# Altium PCB CW308_PCB.PcbDoc (part 2 of 2)
Units mil, origin at the board's own origin, x right, y up, seen from the top; angles counter-clockwise.
Board outline 6000 x 3900 mil, 4 copper layers (Component Side, Ground Plane, Internal Signal 3, Solder Side), stack 33.234 mil thick; 176 components, 106 nets, 718 pads, 307 vias.
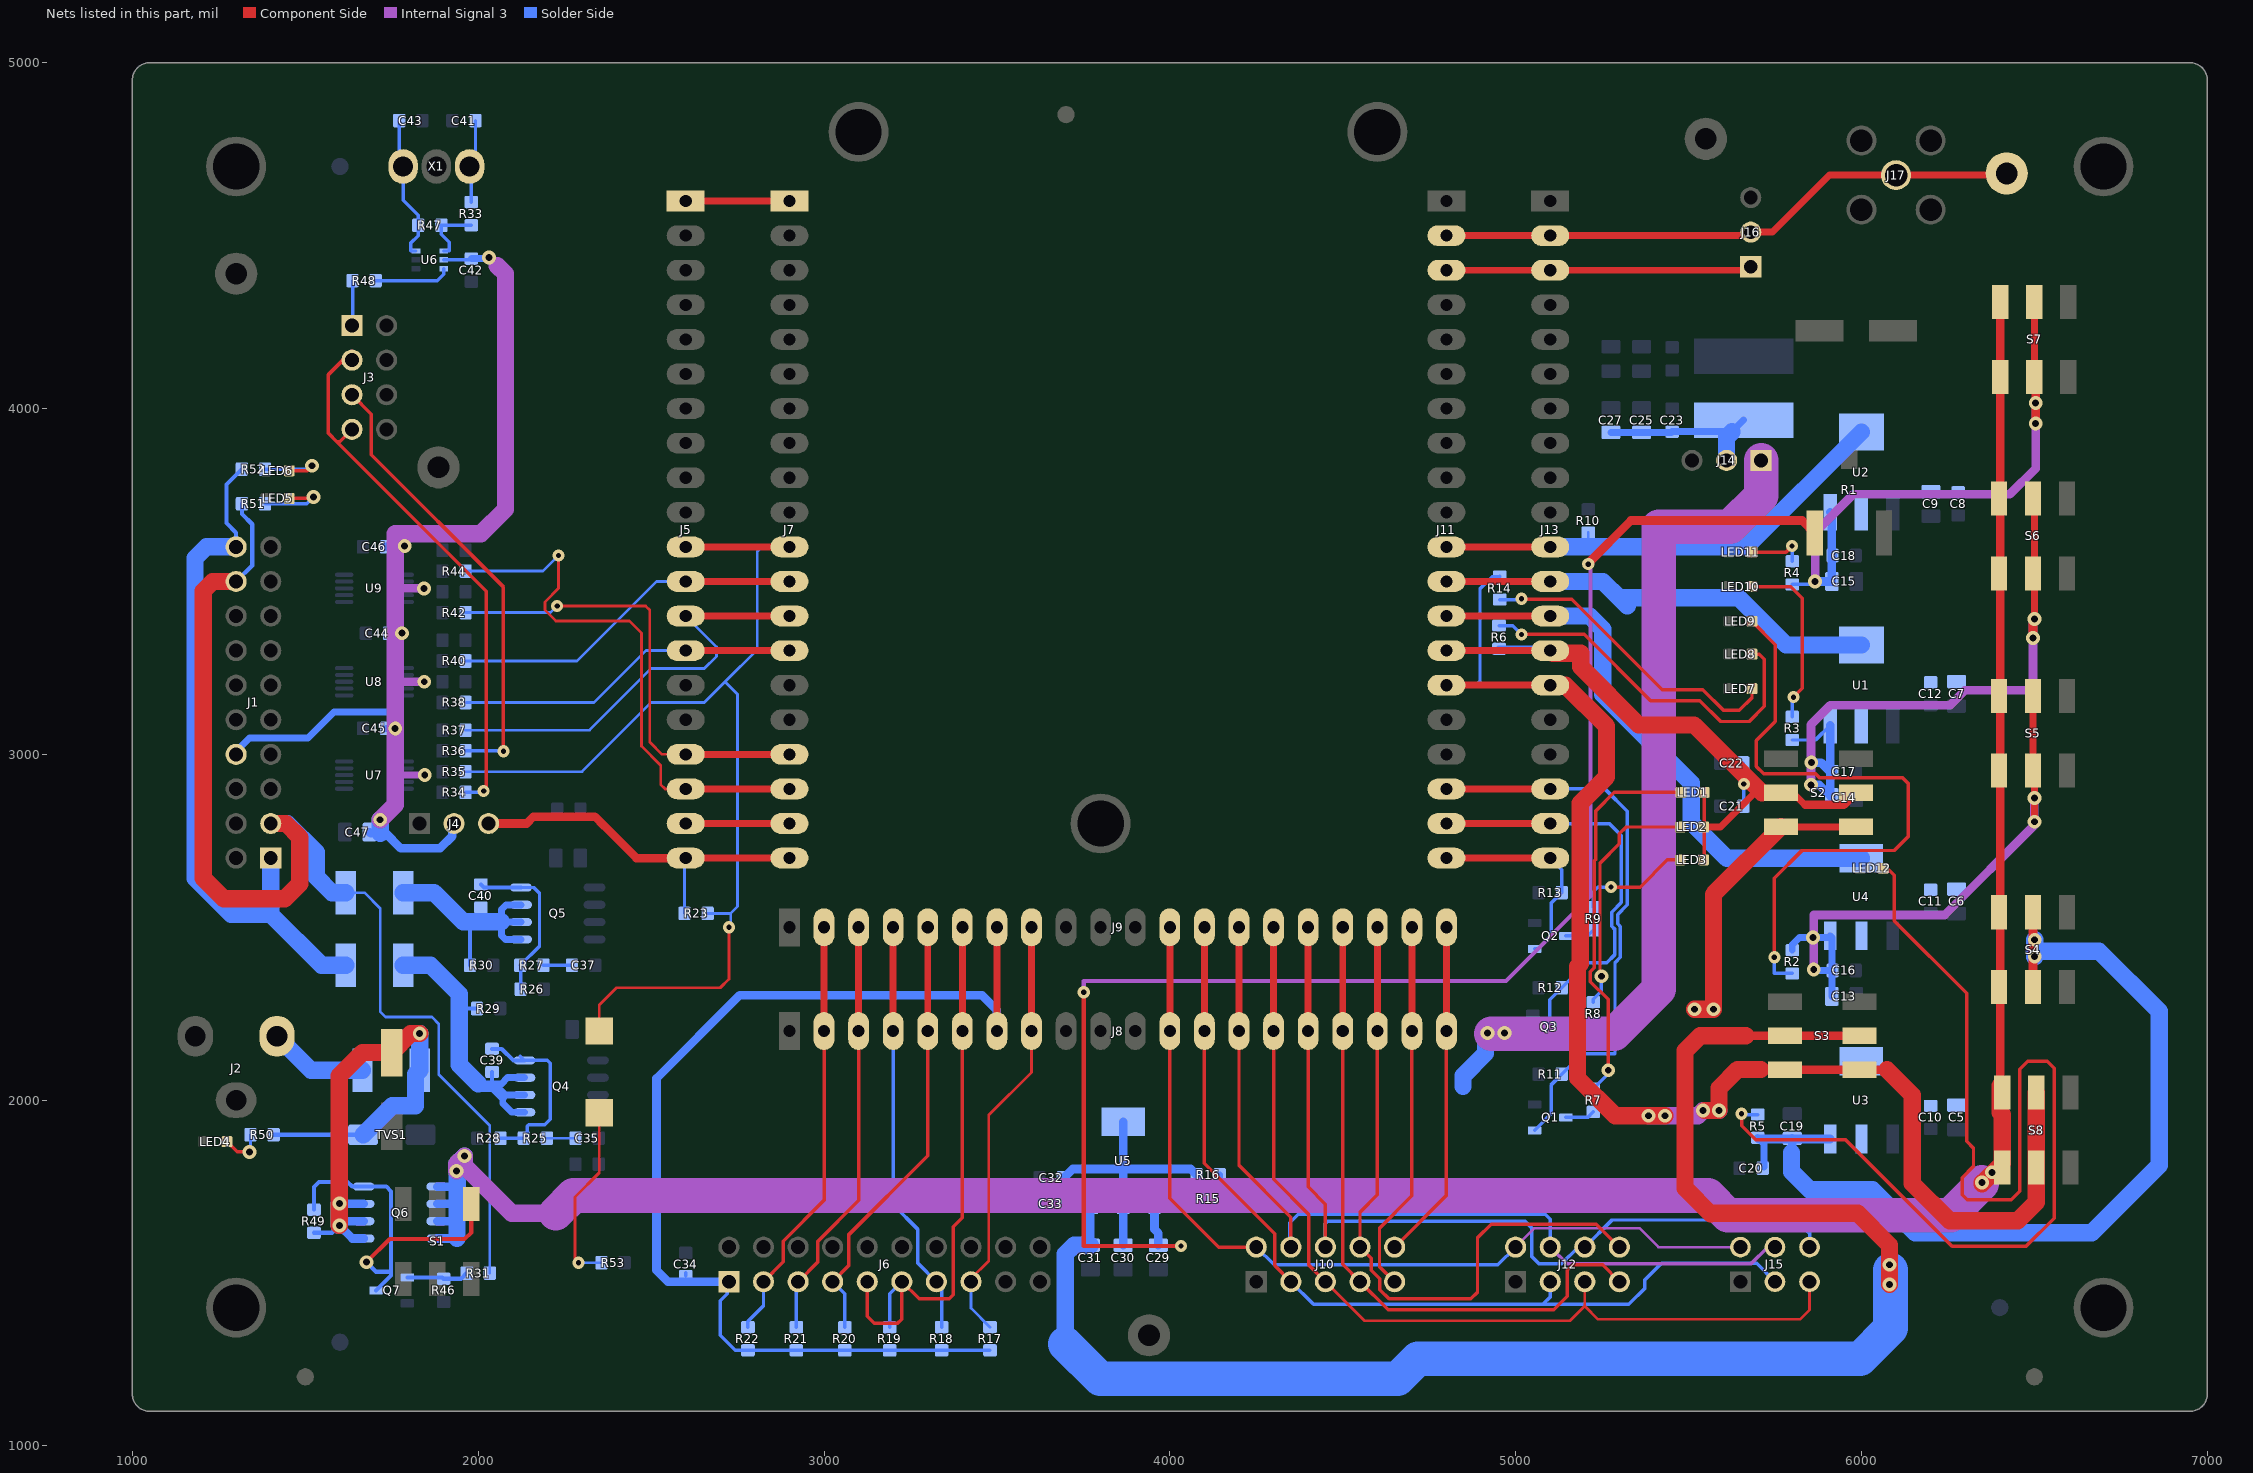
[diagram p4: the nets of this part, all layers, seen from the top]

## Via types
v1: diameter 40, hole 20, Component Side to Solder Side, tented both sides, 117 vias
v2: diameter 35, hole 12, Component Side to Solder Side, tented both sides, 115 vias
v3: diameter 23.62, hole 11.81, Component Side to Solder Side, tented both sides, 56 vias
v4: diameter 35, hole 15, Component Side to Solder Side, tented both sides, 17 vias
v5: diameter 50, hole 28, Component Side to Solder Side, tented both sides, 2 vias

## Nets (pads, with @x,y where several pads share a name; then routed paths per layer and width w, separated by ;. In a path a pad name is that pad's centre, name@x,y a point inside that pad or via, vN(x,y) a via of type N, cw(c..) or ccw(c..) an arc to the next point about the centre after c; other vN are vias at no path point) (continued)
HDR2: J8.12 J9.12 J10.2 J12.2 J15.2 | length 2590.2
  Component Side w10: J8.12@4000,2200 4000,1716.54 4141.54,1575 J10.2@4250,1575
  Component Side w20: J8.12@4000,2200 J9.12@4000,2500
  Internal Signal 3 w8: J12.2@5000,1575 5054.92,1629.92 5358.27,1629.92 5413.19,1575 J15.2@5650,1575
  Solder Side w8: J10.2@4250,1564.96 J10.2@4250,1575
  Solder Side w10: J10.2@4250,1575 4301.38,1523.62 4948.62,1523.62 J12.2@5000,1575
HDR3: J8.13 J9.13 J10.3 J12.3 J15.3 | length 2715.1
  Component Side w10: J8.13@4100,2200 4100,1817.32 4303.15,1614.17 4303.15,1521.85 J10.3@4350,1475
  Component Side w20: J8.13@4100,2200 J9.13@4100,2500
  Solder Side w10: J10.3@4350,1475 4415.55,1409.45 5078.74,1409.45 ; J12.3@5100,1475 5100,1430.71 5078.74,1409.45 ; J15.3@5750,1475 5696.85,1528.15 5421.85,1528.15 5374.02,1480.32 5374.02,1456.69 5326.77,1409.45 5078.74,1409.45
HDR4: J8.14 J9.14 J10.4 J12.4 J15.4 | length 2598.9
  Component Side w10: J8.14@4200,2200 4200,1811.81 4350,1661.81 J10.4@4350,1575
  Component Side w20: J8.14@4200,2200 J9.14@4200,2500
  Internal Signal 3 w10: J12.4@5100,1575 5147.44,1527.56 5681.1,1527.56 5728.54,1575 J15.4@5750,1575
  Solder Side w10: J10.4@4350,1575 4346.46,1578.54 4346.46,1645.67 4370.79,1670 5085.91,1670 5100,1655.91 J12.4@5100,1575
HDR5: J8.15 J9.15 J10.5 J12.5 J15.5 | length 2730.7
  Component Side w8: J10.5@4450,1475 4562.8,1362.2 5157.48,1362.2 5200,1404.72 ; J12.5@5200,1475 5200,1404.72 ; J15.5@5850,1475 5850,1393.31 5822.83,1366.14 5238.58,1366.14 5200,1404.72
  Component Side w10: J8.15@4300,2200 4300,1770.87 4401.57,1669.29 4401.57,1523.43 J10.5@4450,1475
  Component Side w20: J8.15@4300,2200 J9.15@4300,2500
HDR6: J8.16 J9.16 J10.6 J12.6 J15.6 | length 2623.6
  Component Side w10: J8.16@4400,2200 4400,1749.61 4450,1699.61 J10.6@4450,1575
  Component Side w20: J8.16@4400,2200 J9.16@4400,2500
  Solder Side w10: J10.6@4450,1575 4450,1642.91 4457.09,1650 5027.17,1650 5047.24,1629.92 5047.24,1547.24 5066.93,1527.56 5133.86,1527.56 5181.3,1575 J12.6@5200,1575 5278.54,1653.54 5811.02,1653.54 5850,1614.57 J15.6@5850,1575
HDR7: J8.17 J9.17 J10.7 J12.7 | length 1947.2
  Component Side w10: J8.17@4500,2200 4500,1525 J10.7@4550,1475 4631.3,1393.7 5110.24,1393.7 5149.61,1433.07 5149.61,1507.87 5165.35,1523.62 5251.38,1523.62 J12.7@5300,1475
  Component Side w20: J8.17@4500,2200 J9.17@4500,2500
HDR8: J8.18 J9.18 J10.8 J12.8 | length 2006
  Component Side w10: J8.18@4600,2200 4600,1725.98 4550,1675.98 J10.8@4550,1575 4582.68,1542.32 4582.68,1507.87 4607.49,1483.06 4607.49,1451.57 4633.86,1425.2 4870.08,1425.2 4889.76,1444.88 4889.76,1602.36 4929.13,1641.73 5233.27,1641.73 J12.8@5300,1575
  Component Side w20: J8.18@4600,2200 J9.18@4600,2500
HDR9: J8.19 J9.19 J10.9 | length 1081.9
  Component Side w10: J10.9@4650,1475 4606.3,1518.7 4606.3,1629.92 4700,1723.62 J8.19@4700,2200
  Component Side w20: J8.19@4700,2200 J9.19@4700,2500
HDR10: J8.20 J9.20 J10.10 | length 987.1
  Component Side w10: J10.10@4650,1575 4800,1725 J8.20@4800,2200
  Component Side w20: J8.20@4800,2200 J9.20@4800,2500
JACK_5V: Q6.5 Q6.6 Q6.7 Q6.8 S4.1 S4.4 S5.1 S5.4 S6.1 S6.4 S7.1 S7.4 S8.1 S8.4 | length 7691.2
  Component Side w25: S8.4@6401.57,2041.73 S7.1@6401.57,4091.73 S7.4@6401.57,4308.27
  Component Side w50: v1(6348.43,1761.81) 6348.43,1757.87 6407.48,1816.93 6407.48,1958.66 6401.57,1964.57 S8.4@6401.57,2041.73
  Internal Signal 3 w25: v1@6348.43,1757.87 v1(6348.43,1761.81) ; v1(6377.95,1791.34) v1@6377.95,1801.18
  Internal Signal 3 w50: v1(1937.01,1795.28) 1937.01,1814.96 v1(1960.63,1838.58) 1960.63,1809.37 2096.77,1673.23 2224.41,1673.23
  Internal Signal 3 w100: 2224.41,1673.23 2275.59,1724.41 5556.46,1724.41 5613.77,1667.09 6257.65,1667.09 6348.43,1757.87 v1(6348.43,1761.81)
  Solder Side w25: Q6.8@1881.3,1600 1938.58,1600 ; Q6.7@1881.3,1650 1938.58,1650 1941.34,1650 ; Q6.6@1881.3,1700 1938.58,1700 1940.16,1700 ; Q6.5@1881.3,1750 1938.98,1750
  Solder Side w50: 1938.58,1600 1938.58,1650 1938.58,1700 1938.58,1749.61 1938.98,1750 1938.98,1793.31 v1(1937.01,1795.28) 1937.01,1814.96 v1(1960.63,1838.58)
JTAG_NRST: J6.15 J8.8 J9.8 R17.2 | length 1251.8
  Component Side w8: J6.15@3425,1475 3425,1484.06 3476.38,1535.43 3476.38,1956.69 3600,2080.32 J8.8@3600,2200
  Component Side w20: J8.8@3600,2200 J9.8@3600,2500
  Solder Side w8: J6.15@3425,1475 3425,1398.46 R17.2@3480,1343.46
JTAG_TCK: J6.9 J6.11 J8.6 J9.6 R19.2 | length 1716.3
  Component Side w10: J6.9@3125,1475 3125,1375 3145.67,1354.33 3212.6,1354.33 3224.41,1366.14 3224.41,1474.41 J6.11@3225,1475 3274.8,1425.2 3362.2,1425.2 3374.02,1437.01 3374.02,1633.86 3400,1659.84 J8.6@3400,2200
  Component Side w20: J8.6@3400,2200 J9.6@3400,2500
  Solder Side w10: R19.2@3190,1343.46 3190,1440 J6.11@3225,1475
JTAG_TDI: J6.5 J8.3 J9.3 R21.2 | length 1231.1
  Component Side w10: J6.5@2925,1475 2982.49,1532.49 2982.49,1592.61 3100,1710.12 J8.3@3100,2200
  Component Side w20: J8.3@3100,2200 J9.3@3100,2500
  Solder Side w10: R21.2@2920,1343.46 2920,1470 J6.5@2925,1475
JTAG_TDO: J6.13 J8.4 J9.4 R18.2 | length 1214.5
  Component Side w20: J8.4@3200,2200 J9.4@3200,2500
  Solder Side w10: J8.4@3200,2200 3200,1697.64 3271.65,1625.98 3271.65,1528.35 J6.13@3325,1475 3340,1460 R18.2@3340,1343.46
JTAG_TMS: J6.7 J8.5 J9.5 R20.2 | length 1284.9
  Component Side w10: J6.7@3025,1475 3070.87,1520.87 3070.87,1610.24 3300,1839.37 J8.5@3300,2200
  Component Side w20: J8.5@3300,2200 J9.5@3300,2500
  Solder Side w10: J6.7@3025,1475 3060,1440 R20.2@3060,1343.46
JTAG_TRST: J6.3 J8.2 J9.2 R22.2 | length 1247.7
  Component Side w10: J6.3@2825,1475 2882.49,1532.49 2882.49,1592.61 3000,1710.12 J8.2@3000,2200
  Component Side w20: J8.2@3000,2200 J9.2@3000,2500
  Solder Side w10: R22.2@2780,1343.46 2780,1360 2825,1405 J6.3@2825,1475
JTAG_VREF: C34.1 J6.1 J8.7 J9.7 R17.1 R18.1 R19.1 R20.1 R21.1 R22.1 | length 3212.7
  Component Side w20: J8.7@3500,2200 J9.7@3500,2500
  Solder Side w10: C34.1@2600,1491.54 C34.1@2600,1501.38 ; J6.1@2725,1475 2720,1470 2720,1440 2700,1420 2700,1320 2743.46,1276.54 R22.1@2780,1276.54 R21.1@2920,1276.54 R20.1@3060,1276.54 R19.1@3190,1276.54 R18.1@3340,1276.54 R17.1@3480,1276.54
  Solder Side w25: J6.1@2725,1475 2548.62,1475 2515.75,1507.87 2515.75,2062.99 2755.91,2303.15 3456.69,2303.15 3500,2259.84 J8.7@3500,2200
LED1: J11.18 J13.18 Q1.1 R11.1 | length 1646.6
  Component Side w20: J11.18@4800,2900 J13.18@5100,2900
  Solder Side w10: Q1.1@5054.72,1912.6 5102.36,1960.24 5102.36,2043.9 R11.1@5133.46,2075 5192.32,2133.86 5287.4,2133.86 5287.4,2397.22 5303,2412.82 5303,2502.14 5294.77,2510.37 5294.77,2536.88 5322.5,2564.61 5322.5,2835.77 5259.84,2898.43 5259.84,2900 J13.18@5100,2900
LED2: J11.19 J13.19 Q3.1 R12.1 | length 1256.6
  Component Side w20: J11.19@4800,2800 J13.19@5100,2800
  Solder Side w10: Q3.1@5050,2175 5098.43,2223.43 5098.43,2289.96 R12.1@5133.46,2325 5206.1,2397.64 5263.78,2397.64 5286,2419.86 5286,2495.1 5277.77,2503.33 5277.77,2543.92 5305.5,2571.65 5305.5,2765.37 5270.87,2800 J13.19@5100,2800
LED3: J11.20 J13.20 Q2.1 R13.1 | length 614.1
  Component Side w20: J11.20@4800,2700 J13.20@5100,2700
  Solder Side w10: Q2.1@5054.72,2437.6 5063.58,2437.6 5102.36,2476.38 5102.36,2568.9 R13.1@5133.46,2600 5133.46,2666.54 J13.20@5100,2700
MISO: J5.13 J7.13 R37.1 | length 1267.3
  Component Side w20: J5.13@2600,3400 J7.13@2900,3400
  Solder Side w8: R37.1@1963.46,3070 2321.97,3070 2500,3248.03 2653.54,3248.03 2688.98,3283.46 2688.98,3311.02 J5.13@2600,3400
MOSI: J5.14 J7.14 R38.1 | length 998.7
  Component Side w20: J5.14@2600,3300 J7.14@2900,3300
  Solder Side w8: R38.1@1963.46,3150 2335.04,3150 2485.04,3300 J5.14@2600,3300
NetC1_1: C1.1 PTC1.2 Q6.1 Q6.2 Q6.3 R49.1 R50.2 TVS1.K | length 1751.9
  Component Side w50: v1(1598.43,1637.8) v1(1598.43,1700.79) 1598.43,2070.87 1665.16,2137.6 C1.1@1750,2137.6 1805.32,2192.91 v1(1830.71,2192.91)
  Solder Side w12: R50.2@1408.46,1900 TVS1.K@1667.32,1900 ; R49.1@1525,1616.54 1577.17,1616.54 v1(1598.43,1637.8)
  Solder Side w25: v1(1598.43,1700.79) 1667.91,1700.79 Q6.3@1668.7,1700 ; Q6.1@1668.7,1600 1636.22,1600 v1(1598.43,1637.8) 1610.63,1650 Q6.2@1668.7,1650
  Solder Side w50: v1(1598.43,1637.8) v1(1598.43,1700.79) ; TVS1.K@1667.32,1900 1751.57,1984.25 1818.9,1984.25 1818.9,2074.8 PTC1.2@1830.71,2086.61 v1(1830.71,2192.91)
NetC5_1: C5.1 C10.1 S2.1 S2.4 U3.2 U3.4 | length 879.7
  Component Side w20: S2.4@5767.24,2790.28 S2.1@5983.78,2790.28
  Component Side w50: v1(5517,2263) v1(5572,2263) 5572,2595.03 S2.4@5767.24,2790.28
NetC13_1: C13.1 C16.1 R2.2 S5.2 S5.5 U4.3 | length 1685.1
  Component Side w20: S5.2@6496.06,2952.76 S5.5@6496.06,3169.29 ; v1(6500,2805.12) v1(6500,2874.02) S5.2@6500,2908.27
  Internal Signal 3 w25: v1(5862.2,2377.95) 5862.2,2535.43 6240.16,2535.43 6500,2795.28 v1(6500,2874.02) 6503.94,2870.08 v1@6500,2866.14
  Solder Side w20: R2.2@5800,2433.46 5800,2449.61 5820.87,2470.47 v1(5860.24,2470.47) U4.3@5914.57,2470.47 ; v1(5862.2,2377.95) 5865.16,2375 C16.1@5914.57,2375 ; U4.3@5909.45,2475.59 U4.3@5914.57,2470.47 ; C13.1@5914.57,2300 C16.1@5914.57,2375 ; C16.1@5916.54,2375 C16.1@5914.57,2375 ; C16.1@5914.57,2375 U4.3@5914.57,2470.47
NetC14_1: C14.1 C17.1 R3.2 S6.2 S6.5 U1.3 | length 1955.4
  Component Side w20: S6.5@6496.06,3740.16 6500,3736.22 v1(6500,3391.73)
  Component Side w25: v1(6496.06,3336.61) 6496.06,3387.8 v1(6500,3391.73)
  Internal Signal 3 w25: v1(5854,2912) 5854,3084.98 5853.35,3085.63 5909.45,3141.73 6255.91,3141.73 6299.21,3185.04 6484.25,3185.04 6500,3200.79 6496.06,3204.72 v1(6496.06,3336.61) 6496.06,3387.8 v1(6500,3391.73)
  Solder Side w10: R3.2@5800,3041.54 5867.13,3041.54 U1.3@5909.45,3083.86
  Solder Side w25: v1(5854,2912) 5877.57,2912 C14.1@5914.57,2875 5909.45,2880.12 C17.1@5909.45,2950 ; v1(5855,2976) 5883.45,2976 C17.1@5909.45,2950 ; U1.3@5909.45,3083.86 C17.1@5909.45,2950 ; C17.1@5916.54,2950 C17.1@5909.45,2950
NetC15_1: C15.1 C18.1 R4.2 S7.2 S7.5 U2.3 | length 1720.5
  Component Side w20: S7.2@6500,4091.73 S7.5@6500,4308.27
  Component Side w25: S7.2@6500,4091.73 6503.94,4087.8 v1(6503.94,4015.75) v1(6503.94,3956.69)
  Internal Signal 3 w25: v1(5866.14,3500) 5866.14,3574.8 5866.14,3641.73 5976.38,3751.97 6429.13,3751.97 6503.94,3826.77 v1(6503.94,3956.69) v1(6503.94,4015.75)
  Solder Side w10: R4.2@5800,3491.54 5857.68,3491.54 v1(5866.14,3500)
  Solder Side w25: v1(5866.14,3500) C15.1@5914.57,3500 C18.1@5914.57,3575 ; U2.3@5909.45,3700 5914.57,3694.88 C18.1@5914.57,3575 ; C18.1@5916.54,3575 C18.1@5914.57,3575
NetC19_1: C19.1 C20.1 R5.2 S4.2 S4.5 U3.3 | length 2762.2
  Component Side w25: S4.2@6496.06,2326.89 S4.5@6496.06,2543.43
  Solder Side w20: R5.2@5700,1891.54 5703.74,1887.8 5718.5,1873.03 C20.1@5718.5,1807.09 ; C19.1@5798.03,1891.54 C19.1@5800,1889.57 ; U3.3@5907.68,1889.57 U3.3@5909.45,1887.8
  Solder Side w25: R5.2@5703.74,1887.8 C19.1@5800,1887.8 ; 5798,1848 5800,1850 C19.1@5800,1887.8 ; C19.1@5800,1889.57 C19.1@5800,1887.8 ; U3.3@5909.45,1887.8 C19.1@5800,1887.8
  Solder Side w50: 5798,1848 5798,1793 5850,1741 6032,1741 6156,1617 6666,1617 6861,1812 6861,2257 6687,2431 6500,2431 v1@6501,2432 ; v1(6501,2415) v1@6501,2432 ; v1(6501,2464) v1@6501,2432
NetC23_1: C23.1 C25.1 C27.1 J14.2 L1.1 | length 488.2
  Solder Side w20: C27.1@5275.59,3931.1 C25.1@5364.17,3931.1 5450.79,3931.1 C23.1@5452.76,3933.07 5625.98,3933.07 L1.1@5659.45,3966.54
  Solder Side w50: J14.2@5610,3850 5610,3917.09 L1.1@5625.98,3933.07
NetC29_1: C29.1 R1.CCW R15.2 U5.1 | length 4633.4
  Component Side w12: v4(3751,2312) 3751,1578 v4(4032,1578)
  Component Side w25: v4@5206,3550 v4(5210,3550) 5210,3553 5333.5,3676.5 5828,3676.5 R1.CCW@5865,3639.5
  Internal Signal 3 w12: v4(3751,2312) 3751,2345 4972,2345 5217,2590 5217,3543 v4(5210,3550)
  Solder Side w12: C29.1@3967,1580.43 3969.43,1578 v4(4032,1578)
  Solder Side w25: C29.1@3967,1580.43 3967,1615 3955.55,1626.45 U5.1@3955.55,1712.8 4075.87,1712.8 R15.2@4078.07,1715
NetC30_1: C30.1 C32.1 J14.1 R16.1 U5.2 U5.4 | length 3305.2
  Internal Signal 3 w100: v1@4929,2192 5285,2192 5414,2321 5414,3658 5620,3658 5710,3748 J14.1@5710,3850
  Solder Side w25: C32.1@3690,1775 3693,1775 3719,1801 3865,1801 ; C30.1@3865,1580.43 U5.2@3865,1712.8 3865,1801 ; U5.4@3865,1937.2 3865,1801 ; R16.1@4077.54,1784 4060.54,1801 3865,1801
  Solder Side w50: 4848,2040 4848,2071 4913,2136 4913,2188 v1(4919,2194) v1(4968,2194)
NetC31_1: C31.1 C33.1 S3.2 S3.5 U5.3 | length 4915.9
  Component Side w25: 5665.43,2186.57 S3.5@5778.46,2186.57 S3.2@5995,2186.57
  Component Side w50: 5665.43,2186.57 5533.57,2186.57 5490,2143 5490,1745 5564,1671 5564,1673 5989,1673 6081,1581 v1(6081,1524) v1(6081,1467)
  Solder Side w25: C33.1@3688.46,1700 3761.65,1700 U5.3@3770,1708.35 ; C31.1@3770,1580.43 U5.3@3770,1708.35 ; U5.3@3774.45,1712.8 U5.3@3770,1708.35
  Solder Side w50: 3698,1295 3698,1555 3723.43,1580.43 C31.1@3770,1580.43
  Solder Side w100: 3698,1295 3799,1194 4659,1194 4717,1252 5996,1252 6084,1340 v1@6084,1509
NetC35_2: C35.2 R25.2 | length 83.1
  Solder Side w8: R25.2@2198.46,1890 C35.2@2281.54,1890
NetC37_2: C37.2 R27.2 | length 83.1
  Solder Side w10: R27.2@2188.46,2390 C37.2@2271.54,2390
NetC39_1: C39.1 PTC2.2 Q4.1 Q4.2 Q4.3 R29.2 | length 962.3
  Solder Side w12: 1944.88,2262 1947.88,2265 R29.2@1996.54,2265 ; 2039.37,2047.24 2040,2047.87 C39.1@2040,2081.54
  Solder Side w20: 2000,2047.24 2039.37,2047.24 2066.93,2047.24 2084.69,2065 Q4.3@2133.7,2065 ; 2062.99,2031.5 2079.49,2015 Q4.2@2133.7,2015 ; 2070.87,2007.87 2070.87,1992.13 2097.99,1965 Q4.1@2133.7,1965
  Solder Side w25: 2000,2047.24 2011.81,2035.43 2043.31,2035.43 2070.87,2007.87
  Solder Side w50: PTC2.2@1782.68,2390 1861.97,2390 1944.88,2307.09 1944.88,2262 1944.88,2102.36 2000,2047.24
NetC39_2: C39.2 Q4.4 R25.1 R28.2 | length 546.3
  Solder Side w10: R28.2@2064.46,1890 R25.1@2131.54,1890 2141.73,1900.2 2141.73,1925.2 2145.67,1929.13 2192.91,1929.13 2208.66,1944.88 2208.66,2106.3 2199.96,2115 Q4.4@2133.7,2115 2121.54,2127.17
  Solder Side w12: C39.2@2040,2148.46 2068.07,2148.46 2101.54,2115 Q4.4@2133.7,2115
NetC40_1: C40.1 PTC3.2 Q5.1 Q5.2 Q5.3 R30.2 | length 709
  Solder Side w12: 1956.69,2515.75 1976.54,2495.91 R30.2@1976.54,2390
  Solder Side w20: Q5.1@2123.7,2465 2078.31,2465 2066.93,2476.38 2066.93,2515.75 ; Q5.2@2123.7,2515 2067.68,2515 2066.93,2515.75 ; Q5.3@2123.7,2565 2080.75,2565 2066.93,2551.18 2066.93,2515.75
  Solder Side w50: PTC3.2@1782.68,2600 1872.44,2600 1956.69,2515.75 2066.93,2515.75
NetC40_2: C40.2 Q5.4 R26.2 R27.1 | length 480.8
  Solder Side w10: R26.2@2122.54,2321 2122.54,2389 R27.1@2121.54,2390 2177.17,2445.63 2177.17,2598.43 2160.59,2615 Q5.4@2123.7,2615
  Solder Side w12: C40.2@2007.87,2624.02 2016.89,2615 Q5.4@2123.7,2615
NetC41_1: C41.1 R33.1 X1.1 | length 244.9
  Solder Side w10: R33.1@1980,4596.93 1980,4695 X1.1@1975,4700 1992.13,4717.13 C41.1@1992.13,4832.68
NetC43_1: C43.1 R47.1 U6.3 X1.3 | length 424.4
  Solder Side w10: C43.1@1771.65,4832.68 1771.65,4711.22 X1.3@1782.87,4700 1782.87,4602.95 1826.54,4559.29 R47.1@1826.54,4530 1826.54,4499.76 1804.25,4477.48 1804.25,4455.59 U6.3@1819.65,4455.59
NetJ1_1: J1.1 J1.20 PTC2.1 R52.2 | length 2016.6
  Solder Side w12: J1.20@1300,3600 1300,3640.94 1271.65,3669.29 1271.65,3780.12 R52.2@1316.54,3825
  Solder Side w50: J1.20@1300,3600 1214.17,3600 1181.1,3566.93 1181.1,2641.73 1285.83,2537.01 1400,2537.01 ; J1.1@1400,2700 1400,2537.01 ; PTC2.1@1617.32,2390 1547.01,2390 1400,2537.01
NetJ1_3: J1.3 J1.18 PTC3.1 R31.2 R51.2 | length 3475
  Component Side w50: J1.18@1300,3500 1232.28,3500 1204.72,3472.44 1204.72,2641.73 1263.78,2582.68 1440.94,2582.68 1484.25,2625.98 1484.25,2759.84 1444.09,2800 J1.3@1400,2800
  Solder Side w8: PTC3.1@1617.32,2600 1671.65,2600 1716.54,2555.12 1716.54,2255.91 1732.28,2240.16 1866.14,2240.16 1885.83,2220.47 1885.83,2074.8 2033.46,1927.17 R31.2@2033.46,1500
  Solder Side w12: J1.18@1300,3500 1346.46,3546.46 1346.46,3665.35 1316.54,3695.28 R51.2@1316.54,3725
  Solder Side w50: J1.3@1400,2800 1448.03,2800 1531.5,2716.54 1531.5,2645.67 1577.17,2600 PTC3.1@1617.32,2600
NetJ2_1: J2.1 PTC1.1 | length 288
  Solder Side w50: J2.1@1418.11,2185.04 1516.54,2086.61 PTC1.1@1665.35,2086.61
NetJ3_1: J3.1 R48.2 | length 119.2
  Solder Side w10: J3.1@1635,4251.42 1636.54,4252.95 R48.2@1636.54,4370
NetJ3_3: J3.3 J3.7 R34.2 | length 1626.1
  Component Side w10: J3.7@1635,3940 1599.5,3904.5 1590.5,3904.5 ; J3.3@1635,4151.42 1635,4166.5 1566.93,4098.43 1566.93,3928.07 1590.5,3904.5 ; v4(2015.75,2893.7) 2023.62,2893.7 2023.62,3471.38 1590.5,3904.5
  Solder Side w10: R34.2@1963.46,2890 2012.05,2890 v4(2015.75,2893.7)
NetJ3_5: J3.5 R36.2 | length 1322.4
  Component Side w10: J3.5@1635,4040 1691,3984 1691,3866 2073,3484 v4(2073,3009)
  Solder Side w10: R36.2@1963.46,3010 2072,3010 v4(2073,3009)
NetJ4_3: J4.3 J5.20 J7.20 R23.2 | length 1126.6
  Component Side w20: J5.20@2600,2700 J7.20@2900,2700
  Component Side w25: J4.3@2030,2800 2140,2800 2160,2820 2337.48,2820 ; 2363.74,2793.74 2337.48,2820 ; J5.20@2600,2700 2457.48,2700 2337.48,2820
  Solder Side w10: R23.2@2596.54,2540 2596.54,2696.54 J5.20@2600,2700
NetJ5_1: J5.1 J7.1 | length 300
  Component Side w20: J5.1@2600,4600 J7.1@2900,4600
NetJ5_19: J5.19 J7.19 | length 300
  Component Side w20: J5.19@2600,2800 J7.19@2900,2800
NetLED1_K: LED1.K R7.1 | length 1117.3
  Component Side w10: v1(5267.72,2086.61) 5267.72,2291.34 5216.03,2343.02 5216.03,2371.52 5227,2382.49 5227,2691.99 5232.28,2697.27 5232.28,2837.28 5285,2890 LED1.K@5478.07,2890
  Solder Side w10: R7.1@5225,2033.46 5267.72,2076.18 v1(5267.72,2086.61)
NetLED2_K: LED2.K R8.1 | length 705.8
  Component Side w10: v1(5248.03,2358.27) 5248.03,2370.08 5244,2374.11 5244,2684.94 5300,2740.94 5300,2770 5320,2790 LED2.K@5476.54,2790
  Solder Side w10: R8.1@5225,2283.46 5225,2291.93 5248.03,2314.96 v1(5248.03,2358.27)
NetLED3_K: LED3.K R9.1 | length 334.2
  Component Side w10: v4(5276,2616) 5360.02,2616 5439.02,2695 LED3.K@5476.54,2695
  Solder Side w10: R9.1@5225,2558.46 5225,2602.95 5238.05,2616 v4(5276,2616)
NetLED4_A: LED4.A R50.1 | length 128.2
  Component Side w10: LED4.A@1273.46,1880 1303.07,1850.39 v1(1338.58,1850.39)
  Solder Side w10: v1(1338.58,1850.39) 1341.54,1853.35 R50.1@1341.54,1900
NetLED5_A: LED5.A R51.1 | length 219.9
  Component Side w10: LED5.A@1453.46,3740 1519.53,3740 v1(1523.62,3744.09)
  Solder Side w10: R51.1@1383.46,3725 1504.53,3725 v1(1523.62,3744.09)
NetLED6_A: LED6.A R52.1 | length 212.5
  Component Side w10: LED6.A@1453.46,3820 1505.04,3820 v1(1519.68,3834.65)
  Solder Side w10: R52.1@1383.46,3825 1510.04,3825 v1(1519.68,3834.65)
NetLED7_A: LED7.A R14.1 | length 907.9
  Component Side w10: v4(5017,3450) 5016,3449 5162,3449 5424,3187 5541,3187 5601,3127 5647,3127 5683.46,3163.46 LED7.A@5683.46,3190
  Solder Side w10: R14.1@4954,3447.54 5014.54,3447.54 v4(5017,3450)
NetLED8_A: LED8.A R6.1 | length 1077.9
  Component Side w10: v4(5017,3347) 5198,3347 5390,3155 5533,3155 5593,3095 5675,3095 5719,3139 5719,3275 5704,3290 LED8.A@5683.46,3290
  Solder Side w10: R6.1@4952,3372.46 4991.54,3372.46 v4(5017,3347)
NetLED9_A: LED9.A R2.1 | length 1848.8
  Component Side w10: LED9.A@5683.46,3385 5751,3317.46 5751,3095 5696,3040 5696,2965 5717,2944 5867.25,2944 5878.25,2933 6118,2933 6136,2915 6136,2763 6095,2722 5828,2722 5748.03,2642.03 v4(5748.03,2413.39)
  Solder Side w10: v4(5748.03,2413.39) 5748.03,2366.93 5748.43,2366.54 R2.1@5800,2366.54
NetLED10_A: LED10.A R3.1 | length 514.2
  Component Side w10: LED10.A@5683.46,3485 5795,3485 5829,3451 5829,3191.2 v4(5803.15,3165.35)
  Solder Side w10: R3.1@5800,3108.46 5800,3162.2 v4(5803.15,3165.35)
NetLED11_A: LED11.A R4.1 | length 172.1
  Component Side w10: LED11.A@5683.46,3585 5781.85,3585 v4(5799.21,3602.36)
  Solder Side w10: v4(5799.21,3602.36) 5803.15,3602.36 5800,3599.21 R4.1@5800,3558.46
NetLED12_A: LED12.A R5.1 | length 3323.5
  Component Side w10: v4@5657.48,1960.63 v4(5653.54,1960.63) 5653.54,1926.46 5694,1886 5954,1886 6262,1578 6476,1578 6557,1659 6557,2092 6537,2112 6481,2112 6458,2089 6458,1737 6433,1712 6306,1712 6291,1727 6291,1776 6324,1809 6324,1861 6304,1881 6304,2309 6095,2518 6095,2650 6075,2670 LED12.A@6063.46,2670
  Solder Side w10: v4(5653.54,1960.63) 5655.71,1958.46 R5.1@5700,1958.46
NetQ1_3: Q1.3 R7.2 | length 86.6
  Solder Side w10: Q1.3@5145.28,1950 5208.46,1950 R7.2@5225,1966.54
NetQ2_3: Q2.3 R9.2 | length 86.6
  Solder Side w10: Q2.3@5145.28,2475 5208.46,2475 R9.2@5225,2491.54
NetQ3_3: Q3.3 R8.2 | length 86.2
  Solder Side w10: Q3.3@5140.55,2212.4 5220.87,2212.4 R8.2@5225,2216.54
NetQ6_4: Q6.4 Q7.3 R49.2 S1.6 | length 1113.6
  Component Side w12: v1(1677.17,1531.5) 1744.09,1598.43 1960.63,1598.43 1980,1617.8 S1.6@1980,1700
  Solder Side w12: R49.2@1525,1683.46 1525,1749.41 1539.37,1763.78 1622.05,1763.78 1635.83,1750 Q6.4@1668.7,1750 1734.25,1750 1748.03,1736.22 1748.03,1503.94 ; v1(1677.17,1531.5) 1704.72,1503.94 1748.03,1503.94 ; Q7.3@1704.72,1450 1748.03,1493.31 1748.03,1503.94
NetQ7_1: Q7.1 R31.1 R46.1 | length 179.7
  Solder Side w12: Q7.1@1795.28,1487.4 1896.06,1487.4 R46.1@1900,1483.46 1950,1483.46 R31.1@1966.54,1500
NetR15_1: R15.1 R16.2 | length 69.2
  Solder Side w20: R16.2@4144.46,1784 4144.46,1715.54 R15.1@4145,1715
NetR33_2: R33.2 R47.2 U6.4 | length 186.2
  Solder Side w10: U6.4@1900.35,4455.59 1916.22,4455.59 1916.22,4481.42 1893.46,4504.17 R47.2@1893.46,4530 R33.2@1980,4530
NetR48_1: R48.1 U6.6 | length 220.4
  Solder Side w10: R48.1@1703.46,4370 1881.81,4370 1900.35,4388.54 U6.6@1900.35,4404.41
NetR53_1: R53.1 S9.2 | length 533.5
  Component Side w8: v4(2290,1530) 2280,1540 2280,1720 2350,1790 S9.2@2350,1963.78
  Solder Side w8: v4(2290,1530) R53.1@2356.54,1530
NRST: J5.11 J7.11 R23.1 R35.1 S9.1 | length 3104.7
  Component Side w8: S9.1@2350,2200 2350,2275 2400,2325 2700,2325 2725,2350 v4(2725,2500)
  Component Side w20: J5.11@2600,3600 J7.11@2900,3600
  Solder Side w8: R35.1@1963.46,2950 2300.39,2950 2500,3149.61 2653.54,3149.61 2713.94,3210 ; R23.1@2663.46,2540 2730,2540 ; v4(2725,2500) 2730,2505 2730,2540 ; J7.11@2900,3600 2820.47,3600 2807.09,3586.61 2807.09,3303.15 2713.94,3210 ; 2713.94,3210 2750,3173.94 2750,2560 2730,2540
PDIC: J5.17 J7.17 R42.1 | length 1345.9
  Component Side w8: v4(2228.35,3429.13) 2484.25,3429.13 2496.06,3417.32 2496.06,3035.43 2531.5,3000 J5.17@2600,3000
  Component Side w20: J5.17@2600,3000 J7.17@2900,3000
  Solder Side w8: R42.1@1963.46,3410 2209.21,3410 v4(2228.35,3429.13)
PDID: J5.18 J7.18 R44.1 | length 1606.2
  Component Side w8: v4(2232.28,3574.8) 2232.28,3480.32 2192.91,3440.94 2192.91,3417.32 2224.41,3385.83 2437.01,3385.83 2472.44,3350.39 2472.44,3023.62 2527.56,2968.5 2527.56,2913.39 2540.94,2900 J5.18@2600,2900
  Component Side w20: J5.18@2600,2900 J7.18@2900,2900
  Solder Side w8: R44.1@1963.46,3530 2187.48,3530 v4(2232.28,3574.8)
SCK: J5.12 J7.12 R40.1 | length 1031.8
  Component Side w20: J5.12@2600,3500 J7.12@2900,3500
  Solder Side w8: R40.1@1963.46,3270 2285.75,3270 2515.75,3500 J5.12@2600,3500
SHUNTH: J11.3 J13.3 J16.1 | length 884.1
  Component Side w20: J11.3@4800,4400 J13.3@5100,4400 5670,4400 J16.1@5680,4410
SHUNTL: J11.2 J13.2 J16.2 J17.1 TP5.1 | length 1694.6
  Component Side w20: J11.2@4800,4500 J13.2@5100,4500 5670,4500 J16.2@5680,4510 5742.28,4510 5907.28,4675 J17.1@6100,4675 6415,4675 TP5.1@6420,4680
VCC1.2: C8.1 C9.1 J11.11 J13.11 R10.2 U2.2 U2.4 | length 1379.2
  Component Side w20: J11.11@4800,3600 J13.11@5100,3600
  Solder Side w8: 5210,3600 R10.2@5210,3641.54
  Solder Side w50: J13.11@5100,3600 5210,3600 5667.72,3600 U2.4@6000,3932.28
VCC1.8: C7.1 C12.1 J11.12 J13.12 U1.2 U1.4 | length 1309.6
  Component Side w20: J11.12@4800,3500 J13.12@5100,3500
  Solder Side w50: J13.12@5100,3500 5251.97,3500 5299.21,3452.76 ; 5322.83,3429.13 5299.21,3452.76 ; U1.4@6000,3316.14 5782.28,3316.14 5645.67,3452.76 5299.21,3452.76
VCC2.5: C6.1 C11.1 J11.13 J13.13 U4.2 U4.4 | length 1667.5
  Component Side w20: J11.13@4800,3400 J13.13@5100,3400
  Solder Side w50: J13.13@5100,3400 5214.17,3400 5251.97,3362.2 5251.97,3173.23 5507.87,2917.32 5507.87,2803.15 5611.02,2700 U4.4@6000,2700
VCC3.3: C21.1 C22.1 J11.14 J13.14 LED1.A LED2.A LED3.A R6.2 S2.2 S2.5 | length 2088.7
  Component Side w10: LED3.A@5543.46,2695 5545,2696.54 5545,2790 LED1.A@5545,2890
  Component Side w20: J11.14@4800,3300 J13.14@5100,3300 ; LED2.A@5543.46,2790 5545,2790 5592,2790 5690.7,2888.7 5712.3,2888.7 S2.5@5767.24,2888.7 5802.3,2888.7 5837,2854
  Component Side w25: 5837,2854 5949.08,2854 S2.2@5983.78,2888.7
  Component Side w50: J13.14@5100,3300 5108,3292 5188,3292 5188,3253 5356,3085 5516,3085 5712.3,2888.7
  Solder Side w10: C21.1@5658.46,2850 5659.93,2851.46 v4(5659.93,2914) 5658.46,2915.46 C22.1@5658.46,2975
  Solder Side w20: R6.2@4952,3305.54 5094.46,3305.54 J13.14@5100,3300
  Solder Side w50: J13.14@5100,3300 J13.14@5100.79,3299.21
VCC5.0: J11.15 J13.15 R14.2 S3.1 S3.4 S8.2 S8.5 | length 4229.9
  Component Side w20: J11.15@4800,3200 J13.15@5100,3200
  Component Side w25: 5709,2089 5709.85,2088.15 S3.4@5778.46,2088.15 S3.1@5995,2088.15 6073.85,2088.15
  Component Side w50: J13.15@5100,3200 5144,3200 5263,3081 5263,2935 5187,2859 5187,2394.82 5179.03,2386.85 5179.03,2063.97 5288,1955 v1(5384,1955) v1(5432,1955) ; v1@5547,1970 v1(5588,1970) 5588,2035 5642,2089 5709,2089 ; 6073.85,2088.15 6147,2015 6147,1759 6255,1651 6452,1651 6505.91,1704.91 S8.2@6505.91,1805.24 S8.5@6505.91,2021.77
  Internal Signal 3 w50: v1(5384,1955) v1(5432,1955) 5527,1955 v1(5542,1970) v1(5588,1970)
  Solder Side w10: J11.15@4800,3200 4885,3200 4897,3212 4897,3479 4932,3514 4953.54,3514 R14.2@4954,3514.46
VREF: C42.1 C44.1 C45.1 C46.1 C47.1 J1.8 J4.2 U6.5 U7.3 U8.3 U9.3 | length 3528.6
  Internal Signal 3 w20: 1759.84,2940.94 1760.79,2940 v1(1845.51,2940) ; v1(2031.5,4437.01) 2055.12,4413.39
  Internal Signal 3 w25: 1759.84,3212.6 1762.44,3210 v1(1843.86,3210) ; 1759.84,3488.19 1768.03,3480 v1(1842.83,3480)
  Internal Signal 3 w50: v1(1716.54,2811.02) 1759.84,2854.33 1759.84,2940.94 v1(1759.84,3074.8) 1759.84,3212.6 1759.84,3488.19 1759.84,3637.8 2007.8,3637.8 2078.74,3708.74 2078.74,4389.76 2055.12,4413.39
  Solder Side w10: U7.3@1787.6,2940 v1(1845.51,2940) ; U8.3@1787.6,3210 v1(1843.86,3210) ; U9.3@1787.6,3480 v1(1842.83,3480) ; U6.5@1900.35,4430 1976.54,4430 C42.1@1980,4433.46
  Solder Side w20: J1.8@1300,3000 1300,3008.66 1338.85,3047.51 1419.68,3047.51 1419.95,3047.24 1507.87,3047.24 1582.68,3122.05 1751.97,3122.05 1759.84,3114.17 v1(1759.84,3074.8) 1733.66,3074.8 C45.1@1733.46,3075 ; C42.1@1980,4433.46 2027.95,4433.46 v1(2031.5,4437.01)
  Solder Side w25: C47.1@1685.43,2775 1688.78,2771.65 1716.54,2771.65 1732.28,2771.65 1775.59,2728.35 1889.76,2728.35 1925,2763.58 J4.2@1925,2800 ; C46.1@1733.46,3600 1785.04,3600 v1(1787.4,3602.36) ; C44.1@1741.93,3350 1779.13,3350 v1(1779.53,3350.39)
  Solder Side w50: 1716.54,2771.65 v1(1716.54,2811.02)
pads on no net: C5.0 C6.0 C7.0 C8.0 C9.0 C10.0 C11.0 C12.0 C13.0 C14.0 C15.0 C16.0 C17.0 C18.0 C19.0 C20.0 C21.0 C22.0 C23.0 C24.0 C25.0 C26.0 C27.0 C28.0 C29.0 C30.0 C31.0 C32.0 C33.0 C34.0 C35.0 C36.0 C37.0 C38.0 C39.0 C40.0 C41.0 C42.0 C43.0 C44.0 C45.0 C46.0 C47.0 FID1.M1 FID2.M1 FID3.M1 FID4.M1 FID5.M1 FID6.M1 J2.3 J6.2 J6.17 J6.19 LED1.0 LED2.0 LED3.0 LED4.0 LED5.0 LED6.0 LED7.0 LED8.0 LED9.0 LED10.0 LED11.0 LED12.0 MH1.MOUNT MH2.MOUNT MH3.MOUNT MH4.MOUNT MH5.MOUNT MH6.MOUNT MH7.MOUNT Q1.0 Q2.0 Q3.0 Q4.0 Q5.0 Q6.0 Q7.0 R1.CW R2.0 R3.0 R4.0 R5.0 R6.0 R7.0 R8.0 R9.0 R10.0 R11.0 R12.0 R13.0 R14.0 R15.0 R16.0 R17.0 R18.0 R19.0 R20.0 R21.0 R22.0 R23.0 R24.0 R25.0 R26.0 R27.0 R28.0 R29.0 R30.0 R31.0 R32.0 R33.0 R34.0 R35.0 R36.0 R37.0 R38.0 R39.0 R40.0 R41.0 R42.0 R43.0 R44.0 R45.0 R46.0 R47.0 R48.0 R49.0 R50.0 R51.0 R52.0 R53.0 S1.4 TVS1.0 U6.1
copper on no net: | length 292.6
  Component Side w25: v1(2440,1825) 2477.6,1825 2585,1932.4 2677.6,1932.4 v1(2685,1925)
  other v3: 1300,1313.39 6700,1313.39 1238.75,1338.75 1361.25,1338.75 6638.75,1338.75 6761.25,1338.75 1213.39,1400 1386.61,1400 6613.39,1400 6786.61,1400 1238.75,1461.25 1361.25,1461.25 6638.75,1461.25 6761.25,1461.25 1300,1486.61 6700,1486.61 3800,2713.39 3738.75,2738.75 3861.25,2738.75 3713.39,2800 3886.61,2800 3738.75,2861.25 3861.25,2861.25 3800,2886.61 1300,4613.39 6700,4613.39 1238.75,4638.75 1361.25,4638.75 6638.75,4638.75 6761.25,4638.75 1213.39,4700 1386.61,4700 6613.39,4700 6786.61,4700 3100,4713.39 4600,4713.39 3038.75,4738.75 3161.25,4738.75 4538.75,4738.75 4661.25,4738.75 1238.75,4761.25 1361.25,4761.25 6638.75,4761.25 6761.25,4761.25 1300,4786.61 6700,4786.61 3013.39,4800 3186.61,4800 4513.39,4800 4686.61,4800 3038.75,4861.25 3161.25,4861.25 4538.75,4861.25 4661.25,4861.25 3100,4886.61 4600,4886.61

## Polygon pours and split planes (outlines as drawn)
VCC1.2 on Solder Side "1V2_HEATSINK" (solid, remove dead copper, pour order 6): 6900,3740 6870,3710 6430,3710 6420,3710 6380,3750 6360,3770 6050,3770 6050,3760 6040,3750 6040,3680 5970,3680 5960,3690 5960,3760 5940,3780 5860,3780 5860,3770 5840,3750 5840,3620 5790,3620 5740,3570 5700,3530 5290,3530 5280,3530 5250,3560 5250,3840 5270,3860 5280,3870 5810,3870 5820,3870 5870,3920 5880,3930 5880,4070 5920,4070 5970,4120 5990,4140 5990,4370 5990,4390 6030,4430 6060,4460 6810,4460 6860,4460 6900,4420 6900,3820
VCC1.8 on Solder Side "1V8_HEATSINK" (solid, remove dead copper, pour order 4): 6900,3070 6870,3040 6860,3050 6410,3050 6400,3050 6390,3060 6390,3160 6390,3170 6380,3180 6370,3190 6050,3190 6040,3180 6040,3050 5960,3050 5970,3060 5970,3160 5970,3170 5950,3190 5760,3190 5750,3180 5730,3160 5730,3030 5300,3030 5280,3050 5240,3090 5240,3450 5240,3460 5260,3480 5280,3500 5730,3500 5780,3450 6120,3450 6120,3530 6170,3580 6340,3580 6350,3580 6420,3650 6430,3660 6820,3660 6870,3660 6900,3630
VCC2.5 on Solder Side "2V5_HEATSINK" (solid, remove dead copper, pour order 2): 6900,2460 6870,2430 6870,2420 6410,2420 6400,2430 6390,2440 6390,2580 6370,2600 6070,2600 6040,2570 6040,2470 5970,2470 5960,2480 5960,2560 5960,2570 5950,2580 5840,2580 5810,2580 5750,2520 5750,2350 5750,2340 5730,2320 5370,2320 5350,2340 5290,2400 5290,2840 5290,2850 5320,2880 5330,2890 5800,2890 5810,2890 5880,2820 5890,2830 6110,2830 6120,2830 6290,3000 6830,3000 6870,3000 6890,2980 6900,2970 6900,2510
NetC5_1 on Solder Side "3V3_AUTONAMING" (solid, remove dead copper, pour order 0): 6890,1630 6610,1630 6410,1830 6390,1850 6390,1960 6060,1960 6030,1930 6030,1870 5970,1870 5960,1880 5960,1950 5950,1960 5890,2020 5880,2020 5540,2020 5500,1980 5490,1970 5490,1910 5360,1910 5330,1940 5330,2200 5330,2240 5370,2280 5380,2290 5810,2290 5860,2240 6100,2240 6100,2260 6180,2340 6220,2380 6710,2380 6870,2380 6900,2350 6910,2340 6910,1720 6910,1650 6890,1630
NetC30_1 on Solder Side "VADJPOUR" (solid, remove dead copper, pour order 8): 3360,1687 3368,1679 3562,1679 3562,1706 3597,1741 3624,1768 3810,1768 3820,1768 3833,1755 3837,1751 3837,1684 3837,1683 3846,1674 3904,1674 3914,1684 3911,1687 3911,1751 3911,1755 3925,1769 3926,1768 4030,1768 4042,1768 4052,1758 4055,1755 4869,1755 4872,1755 4913,1796 4917,1800 4917,2037 4917,2102 4893,2126 4879,2112 3354,2112 3322,2112 3289,2079 3278,2068 3278,1745 3325,1745 3357,1713
GND on Solder Side "GNDBOT" (solid, remove dead copper, pour order 11): 7130,4320 7130,4340 7020,4450 7000,4470 6050,4470 6050,4450 5920,4320 5950,4290 5950,4110 5930,4110 5860,4040 5830,4010 5830,3900 5530,3900 5380,3750 4550,3750 4550,4930 4310,5170 570,5170 570,1070 1040,600 1200,760 7050,760 7070,760 7210,900 7180,930 7180,4110
GND on Component Side "GNDTOP" (solid, remove dead copper, pour order 9): 850,5070 870,5090 4460,5090 4640,5090 4660,5070 4560,4970 4560,4010 5920,4010 5970,4060 6000,4090 6000,4420 7030,4420 7130,4320 7100,4290 7100,1070 7080,1070 7010,1000 6870,860 900,860 890,860 790,960 800,970 800,4990
GND on Ground Plane (split plane): 6958.72,4978.75 6964.16,4976.5 6969.06,4973.23 6973.23,4969.06 6976.5,4964.16 6978.75,4958.72 6979.9,4952.95 6979.9,4950 6979.9,1150 6979.9,1147.05 6978.75,1141.28 6976.5,1135.84 6973.23,1130.94 6969.06,1126.77 6964.16,1123.5 6958.72,1121.25 6952.95,1120.1 1047.05,1120.1 1041.28,1121.25 1035.84,1123.5 1030.94,1126.77 1026.77,1130.94 1023.5,1135.84 1021.25,1141.28 1020.1,1147.05 1020.1,1150 1020.1,4950 1020.1,4952.95 1021.25,4958.72 1023.5,4964.16 1026.77,4969.06 1030.94,4973.23 1035.84,4976.5 1041.28,4978.75 1047.05,4979.9 6952.95,4979.9

## Silkscreen, mask and mechanical layers (free items; w line width, h text height)
Top Overlay:
  drawing of 164 lines, arcs and shapes, not listed
  text "VOUT" at 6010,4840 h50
  text "GND" at 5480,4710 h50 r90
  text "GND" at 5670,4710 h50 r90
  text "GND" at 5750,4590 h50
  text "CW Compatible" at 3240,4580 h100
  text "SH-" at 5727.4,4463.7 h90
  text "SHUNTL" at 5187.4,4458.7 h90
  text "1.2V LDO SRC" at 6200.79,4399.61 h50
  text "SH+" at 5750,4380 h50
  text "GND" at 1230,4325 h50 r90
  text "FILT_LP" at 5180,4160 h90
  text "FILT_HP" at 5175,4055 h90
  text "J1/CW" at 6760,4050 h50 r90
  text "EXT-DC" at 6279.53,4045.28 h50 r90
  text "VADJ" at 5870,3990 h50
  text "CRYSTAL / HS1/IN / HS2/OUT / HS1/IN" at 1135,3900 h63.1
  text "FILT" at 5175,3850 h90
  text "1.8V LDO SRC" at 6210.63,3838.58 h50
  text "+5V" at 1530,3800 h40
  text "+3.3V" at 1530,3720 h40
  text "ChipWhisperer" at 1515,3575 h70 r270
  text "J1/CW" at 6761.81,3553.15 h50 r90
  text "EXT-DC" at 6269.69,3494.09 h50 r90
  text "2.5V LDO SRC" at 6210.63,3257.87 h50
  text "J1/CW" at 5767.24,3115.08 h50
  text "3.3V SRC" at 6070,3085 h50 r270
  text "J1/CW" at 6761.81,2942.91 h50 r90
  text "EXT-DC" at 6269.69,2913.39 h50 r90
  text "J1-3.3V (CW3.3V)" at 1850,2880 h50 r90
  text "J5-VREF(TVREF)" at 2060,2880 h50 r90
  text "J1-VREF" at 1750,2670 h50
  text "SPARE / GND / CLKIN / GND / CLKFB / GND / GPIO1/TX / GPIO2/RX / GPIO3 / GPIO4/TRIG / nRST / SCK / MISO / MOSI / GND / GND / PDIC / PDID/CS / SPARE / VREF" at 1900,2665 h63.1
  text "1 / 2 / 3 / 4 / 5 / 6 / 7 / 8 / 9 / 10 / 11 / 12 / 13 / 14 / 15 / 16 / 17 / 18 / 19 / 20" at 2650,2660 h63.1
  text "A1 / A2 / A3 / A4 / A5 / A6 / A7 / A8 / A9 / A10 / A11 / A12 / A13 / A14 / A15 / A16 / A17 / A18 / A19 / A20" at 2990,2660 h63.1
  text "C1 / C2 / C3 / C4 / C5 / C6 / C7 / C8 / C9 / C10 / C11 / C12 / C13 / C14 / C15 / C16 / C17 / C18 / C19 / C20" at 4520,2660 h63.1
  text "1 / 2 / 3 / 4 / 5 / 6 / 7 / 8 / 9 / 10 / 11 / 12 / 13 / 14 / 15 / 16 / 17 / 18 / 19 / 20" at 4850,2660 h63.1
  text "GND /  / SHUNTH / GND /  /  / GND /  / GND / GND / VCC1.2 / VCC1.8 / VCC2.5 / VCC3.3 / VCC5.0 / GND / GND / LED1 / LED2 / LED3" at 5195,2650 h63.1
  text "3.3V LDO SRC" at 6205,2635 h50
  text "LDO" at 5806.61,2622.95 h50
  text "3.3V" at 5886,2421 h50
  text "EXT-DC" at 1060,2390 h50
  text "VADJ SRC" at 6066,2361 h50 r270
  text "5V DC" at 1515,2350 h70 r270
  text "J1/CW" at 6755,2325 h50 r90
  text "EXT-DC" at 6285,2295 h50 r90
  text "nRST" at 2250,2275 h60
  text "1 / 2 / 3 / 4 / 5 / 6 / 7 / 8 / 9 / 10 / 11 / 12 / 13 / 14 / 15 / 16 / 17 / 18 / 19 / 20" at 4840,2260 h63.1 r90
  text "5V SRC" at 6353.43,2095.51 h50
  text "5V" at 5909,1921 h50
  text "J1/CW" at 6756.97,1810.08 h50 r90
  text "EXT-DC" at 6284.53,1770.71 h50 r90
  text "GND / J_TRST / J_TDI / J_TDO / J_TMS / J_TCK / J_VREF / nRST / GND / GND / H1 / H2 / H3 / H4 / H5 / H6 / H7 / H8 / H9 / H10" at 4860,1730 h61.1 r90
  text "H2 / H4 / H6 / H8 / H10" at 4700,1650 h61.1 r90
  text "H2 / H4 / H6 / H8" at 5400,1650 h61.1 r90
  text "H2 / H4 / H6" at 6000,1650 h61.1 r90
  text "AUTO" at 1470,1570 h50
  text "ON" at 2100,1570 h50
  text "2" at 2625,1550 h70 r90
  text "1" at 2625,1450 h70 r90
  text "GND" at 3875,1395 h50
  text "EXT-DC SWITCH" at 1560,1340 h50
  text "H1 / H3 / H5 / H7 / H9" at 4700,1275 h61.1 r90
  text "H1 / H3 / H5 / H7" at 5400,1275 h61.1 r90
  text "H1 / H3 / H5" at 6000,1275 h61.1 r90
  text "VREF / TRST / TDI / TMS / TCLK / RCLK / TDO / nRST" at 3460,1180 h61.1 r90
  text "Target-Defined Programming" at 4200,1175 h70
Bottom Overlay:
  circle w10: c2370,3350 r11.18
  circle w10: c2370,3170 r11.18
  lines w10: 1930,2750 1930,2710 2110,2710 2220,2950 2220,3350 2370,3350 ; 1974,2328 2061.5,2328 2095.94,2362.44 ; 2260,3170 2480,3170 ; 2320,3080 2420,3080 2370,3080 ; 2320,3320 2370,3320 ; 2350,2920 2390,2920 ; 2360,2900 2380,2900 ; 2370,2990 2370,2940 2400,2940 ; 2370,3230 2370,3080 ; 2370,3380 2370,3320 ; 2410,2940 2400,2940 ; 2420,3320 2370,3320 ; 2370,3080 2420,2990 2320,2990 2370,3080 ; 2370,3320 2420,3230 2320,3230 2370,3320 ; 2400,2940 2330,2940 2400,2940 ; 1880,2755 1880,2845 1985,2845 1985,2755 1880,2755 ; 2340,3380 2400,3380 2370,3430 2340,3380 ; 6340,1680 6340,4540 6950,4540 6950,1680 6340,1680
  lines w20: 1825,4250 2022,4250
  lines w30: 1785,4150 1825,4150 ; 1785,4250 1825,4250 ; 1786,3936 1885,3936 1885,4202 2500,4202 ; 1795,4050 1825,4050 1825,4250 ; 1953,3789 2122,3700 2515,3700 ; 2500,4401 2148,4401 2148,4250 2069,4250 1825,4250 ; 4870,4500 5030,4500 ; 5170,4500 5630,4500 ; 5720,4500 5860,4500 5960,4680 6040,4680 ; 6165,4680 6340,4680
  text "Community Build Version" at 4440,4720 h50
  text "UFO Target Board." at 4210,4540 h50
  text "When using ChipWhisperer (J1) as power supply, disable /   unused LDOs to reduce start-up current, by selecting  /   `EXT-DC' as LDO supply option. /     / Excessive start-up current may prevent ChipWhisperer from /   switching on/off target device power." at 6940,4490 h50 r90
  text "J1-VREF" at 2490,3450 h40
  text "IO" at 2500,3190 h40
  text "IO" at 2320,3110 h40
  text "1 / 2 / 3 / 4 / 5 / 6 / 7 / 8 / 9 / 10 / 11 / 12 / 13 / 14 / 15 / 16 / 17 / 18 / 19 / 20" at 2840,2660 h63.1
  text "A1 / A2 / A3 / A4 / A5 / A6 / A7 / A8 / A9 / A10 / A11 / A12 / A13 / A14 / A15 / A16 / A17 / A18 / A19 / A20" at 3180,2660 h63.1
  text "C1 / C2 / C3 / C4 / C5 / C6 / C7 / C8 / C9 / C10 / C11 / C12 / C13 / C14 / C15 / C16 / C17 / C18 / C19 / C20" at 4720,2660 h63.1
  text "1 / 2 / 3 / 4 / 5 / 6 / 7 / 8 / 9 / 10 / 11 / 12 / 13 / 14 / 15 / 16 / 17 / 18 / 19 / 20" at 4840,2450 h63.1 r90
  text "MAY NEED COMPLIANCE CHECK" at 6520,1250 h50
Board Outline:
  lines w15: 1000,1150 ccw(c1050,1150) 1050,1100 6950,1100 ccw(c6950,1150) 7000,1150 7000,4950 ccw(c6950,4950) 6950,5000 1050,5000 ccw(c1050,4950) 1000,4950 1000,1150 ; 3300,3100 4400,3100 4400,4400 3300,4400 3300,3100
Mechanical 7:
  lines w11.81: 1000,1150 ccw(c1050,1150) 1050,1100 6950,1100 ccw(c6950,1150) 7000,1150 7000,4950 ccw(c6950,4950) 6950,5000 1300,5000 1050,5000 ccw(c1050,4950) 1000,4950 1000,1150

## Dimensions
2900,4600 to 3800,2800 on Mechanical 16
2900,4600 to 3800,2800 on Mechanical 16
2900,4600 to 2900,2500 on Mechanical 16
2900,4600 to 3100,4800 on Mechanical 16
2900,4600 to 4800,4600 on Mechanical 16
3100,4800 to 4600,4800 on Mechanical 16
2900,4600 to 3100,4800 on Mechanical 16